# EAGLE board Mk4 Final Panel 6up 3x2 (EAGLE 9.0.1), part 6 of 18
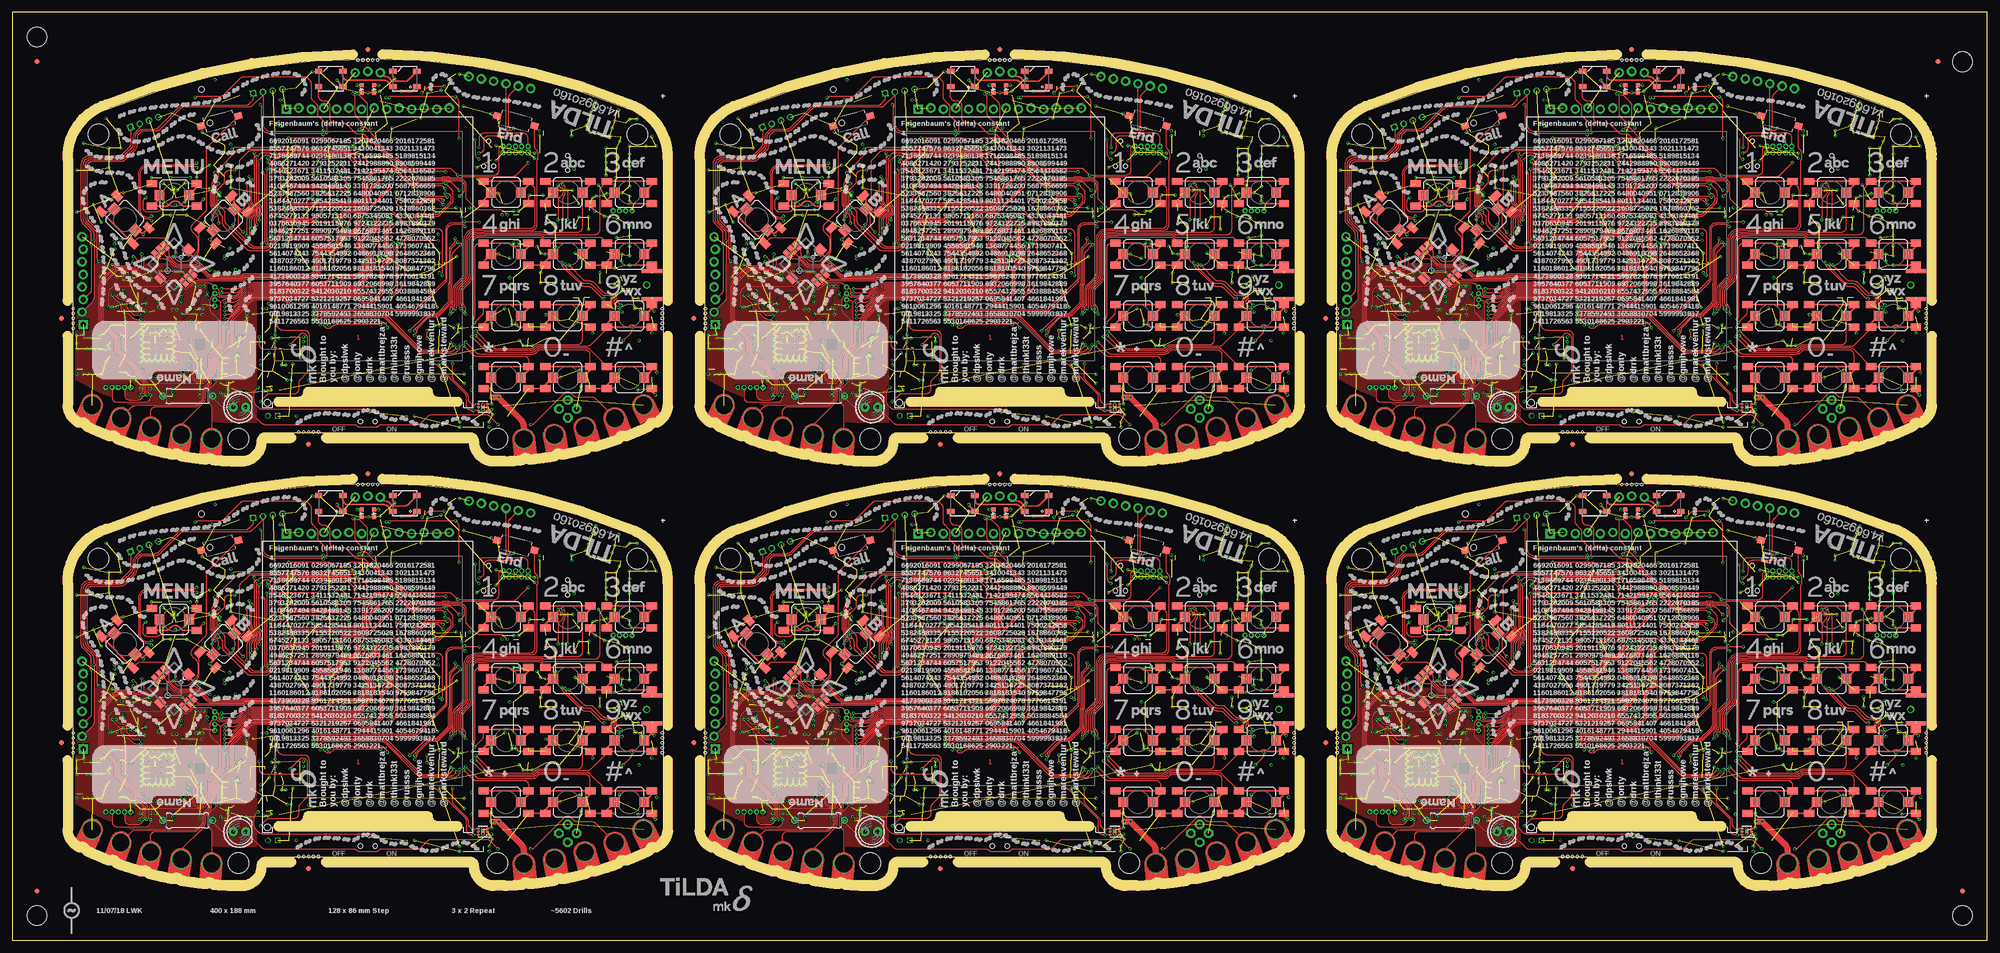
[diagram p0: board, top side]
## Tracks (layer width: path | path; a pad name or v marks a point on that pad's centre or on a via) (continued)
AMP_IN_P4 (continued)
  Bottom 0.2: R369.2 R387.2 289.45,73.5 | J47.3 294.76,81.04 arc45 294.05,80.75 J47.2 292.11,78.8 291.8,78.8 289.74,76.74 arc45 289.45,76.04 289.45,73.5 | R390.2 289.45,73.5
AMP_IN_P6
  Bottom 0.2: R525.2 R543.2 289.45,159.5 | J67.3 294.76,167.04 arc45 294.05,166.75 J67.2 292.11,164.8 291.8,164.8 289.74,162.74 arc45 289.45,162.04 289.45,159.5 | R546.2 289.45,159.5
AMP_IN_R1_N
  Bottom 0.15: C106.1 R78.1
AMP_IN_R1_N1
  Bottom 0.15: C214.1 R154.1
AMP_IN_R1_N2
  Bottom 0.15: C322.1 R232.1
AMP_IN_R1_N3
  Bottom 0.15: C430.1 R310.1
AMP_IN_R1_N4
  Bottom 0.15: C538.1 R388.1
AMP_IN_R1_N6
  Bottom 0.15: C754.1 R544.1
AMP_IN_R1_P
  Bottom 0.15: C105.1 R77.1
AMP_IN_R1_P1
  Bottom 0.15: C213.1 R153.1
AMP_IN_R1_P2
  Bottom 0.15: C321.1 R231.1
AMP_IN_R1_P3
  Bottom 0.15: C429.1 R309.1
AMP_IN_R1_P4
  Bottom 0.15: C537.1 R387.1
AMP_IN_R1_P6
  Bottom 0.15: C753.1 R543.1
AMP_IN_R_N
  Bottom 0.2: R58.1 C82.1
AMP_IN_R_N1
  Bottom 0.2: R136.1 C183.1
AMP_IN_R_N2
  Bottom 0.2: R214.1 C291.1
AMP_IN_R_N3
  Bottom 0.2: R292.1 C399.1
AMP_IN_R_N4
  Bottom 0.2: R370.1 C507.1
AMP_IN_R_N6
  Bottom 0.2: R526.1 C723.1
AMP_IN_R_P
  Bottom 0.2: R57.1 C83.1
AMP_IN_R_P1
  Bottom 0.2: R135.1 C184.1
AMP_IN_R_P2
  Bottom 0.2: R213.1 C292.1
AMP_IN_R_P3
  Bottom 0.2: R291.1 C400.1
AMP_IN_R_P4
  Bottom 0.2: R369.1 C508.1
AMP_IN_R_P6
  Bottom 0.2: R525.1 C724.1
AMP_IN_TRS_P
  Bottom 0.2: J9.5 44.71,79.83 arc45 45,80.54 45,81.35 arc90 44,82.35 42.51,82.35 arc45 41.81,82.06 41.54,81.79 arc-45 40.84,81.5 36.08,81.5 J9.6 35.32,81.41 arc45 34.62,81.12 34.29,80.79 arc45 34,80.09 34,78.01 arc-45 33.71,77.31 32.79,76.39 arc45 32.5,75.69 R75.1 32.5,69.66 arc45 32.79,68.96 32.83,68.92 arc-45 33.12,68.21 IC13.3
AMP_IN_TRS_P1
  Bottom 0.2: J17.5 172.71,79.83 arc45 173,80.54 173,81.35 arc90 172,82.35 170.51,82.35 arc45 169.81,82.06 169.54,81.79 arc-45 168.84,81.5 164.08,81.5 J17.6 163.32,81.41 arc45 162.62,81.12 162.29,80.79 arc45 162,80.09 162,78.01 arc-45 161.71,77.31 160.79,76.39 arc45 160.5,75.69 R156.1 160.5,69.66 arc45 160.79,68.96 160.83,68.92 arc-45 161.12,68.21 IC28.3
AMP_IN_TRS_P2
  Bottom 0.2: J27.5 44.71,165.83 arc45 45,166.54 45,167.35 arc90 44,168.35 42.51,168.35 arc45 41.81,168.06 41.54,167.79 arc-45 40.84,167.5 36.08,167.5 J27.6 35.32,167.41 arc45 34.62,167.12 34.29,166.79 arc45 34,166.09 34,164.01 arc-45 33.71,163.31 32.79,162.39 arc45 32.5,161.69 R234.1 32.5,155.66 arc45 32.79,154.96 32.83,154.92 arc-45 33.12,154.21 IC46.3
AMP_IN_TRS_P3
  Bottom 0.2: J37.5 172.71,165.83 arc45 173,166.54 173,167.35 arc90 172,168.35 170.51,168.35 arc45 169.81,168.06 169.54,167.79 arc-45 168.84,167.5 164.08,167.5 J37.6 163.32,167.41 arc45 162.62,167.12 162.29,166.79 arc45 162,166.09 162,164.01 arc-45 161.71,163.31 160.79,162.39 arc45 160.5,161.69 R312.1 160.5,155.66 arc45 160.79,154.96 160.83,154.92 arc-45 161.12,154.21 IC64.3
AMP_IN_TRS_P4
  Bottom 0.2: J47.5 300.71,79.83 arc45 301,80.54 301,81.35 arc90 300,82.35 298.51,82.35 arc45 297.81,82.06 297.54,81.79 arc-45 296.84,81.5 292.08,81.5 J47.6 291.32,81.41 arc45 290.62,81.12 290.29,80.79 arc45 290,80.09 290,78.01 arc-45 289.71,77.31 288.79,76.39 arc45 288.5,75.69 R390.1 288.5,69.66 arc45 288.79,68.96 288.83,68.92 arc-45 289.12,68.21 IC82.3
AMP_IN_TRS_P6
  Bottom 0.2: J67.5 300.71,165.83 arc45 301,166.54 301,167.35 arc90 300,168.35 298.51,168.35 arc45 297.81,168.06 297.54,167.79 arc-45 296.84,167.5 292.08,167.5 J67.6 291.32,167.41 arc45 290.62,167.12 290.29,166.79 arc45 290,166.09 290,164.01 arc-45 289.71,163.31 288.79,162.39 arc45 288.5,161.69 R546.1 288.5,155.66 arc45 288.79,154.96 288.83,154.92 arc-45 289.12,154.21 IC118.3
BQ_!CE
  Bottom 0.15: R17.1 IC8.9
BQ_!CE1
  Bottom 0.15: R99.1 IC24.9
BQ_!CE2
  Bottom 0.15: R177.1 IC42.9
BQ_!CE3
  Bottom 0.15: R255.1 IC60.9
BQ_!CE4
  Bottom 0.15: R333.1 IC78.9
BQ_!CE6
  Bottom 0.15: R489.1 IC114.9
BQ_!INT  (via drill 0.3)
  Top 0.15: v73,59.2 73,58.66 arc-45 72.85,58.31 70.58,56.04 arc90 70.58,53.92 72.08,52.42 arc-45 72.3,51.89 72.3,51.53 arc-45 72.15,51.18 71.95,50.97 arc45 71.8,50.62 71.8,50.33 arc-45 71.29,49.09 70.81,48.61 arc-45 69.58,48.1 67.41,48.1 arc45 66.71,47.81 66.05,47.15 arc-90 65.35,47.15 v64.9,47.6
  Bottom 0.15: v73,59.2 IC1.14 | IC8.7 63.9,37.25 arc90 64.9,38.25 v64.9,47.6
BQ_!INT1  (via drill 0.3)
  Top 0.15: v201,59.2 201,58.66 arc-45 200.85,58.31 198.58,56.04 arc90 198.58,53.92 200.08,52.42 arc-45 200.3,51.89 200.3,51.53 arc-45 200.15,51.18 199.95,50.97 arc45 199.8,50.62 199.8,50.33 arc-45 199.29,49.09 198.81,48.61 arc-45 197.57,48.1 195.41,48.1 arc45 194.71,47.81 194.05,47.15 arc-90 193.35,47.15 v192.9,47.6
  Bottom 0.15: v201,59.2 IC20.14 | IC24.7 191.9,37.25 arc90 192.9,38.25 v192.9,47.6
BQ_!INT2  (via drill 0.3)
  Top 0.15: v73,145.2 73,144.66 arc-45 72.85,144.31 70.58,142.04 arc90 70.58,139.92 72.08,138.42 arc-45 72.3,137.89 72.3,137.53 arc-45 72.15,137.18 71.95,136.97 arc45 71.8,136.62 71.8,136.32 arc-45 71.29,135.09 70.81,134.61 arc-45 69.58,134.1 67.41,134.1 arc45 66.71,133.81 66.05,133.15 arc-90 65.35,133.15 v64.9,133.6
  Bottom 0.15: v73,145.2 IC38.14 | IC42.7 63.9,123.25 arc90 64.9,124.25 v64.9,133.6
BQ_!INT3  (via drill 0.3)
  Top 0.15: v201,145.2 201,144.66 arc-45 200.85,144.31 198.58,142.04 arc90 198.58,139.92 200.08,138.42 arc-45 200.3,137.89 200.3,137.53 arc-45 200.15,137.18 199.95,136.97 arc45 199.8,136.62 199.8,136.32 arc-45 199.29,135.09 198.81,134.61 arc-45 197.57,134.1 195.41,134.1 arc45 194.71,133.81 194.05,133.15 arc-90 193.35,133.15 v192.9,133.6
  Bottom 0.15: v201,145.2 IC56.14 | IC60.7 191.9,123.25 arc90 192.9,124.25 v192.9,133.6
BQ_!INT4  (via drill 0.3)
  Top 0.15: v329,59.2 329,58.66 arc-45 328.85,58.31 326.58,56.04 arc90 326.58,53.92 328.08,52.42 arc-45 328.3,51.89 328.3,51.53 arc-45 328.15,51.18 327.95,50.97 arc45 327.8,50.62 327.8,50.33 arc-45 327.29,49.09 326.81,48.61 arc-45 325.57,48.1 323.41,48.1 arc45 322.71,47.81 322.05,47.15 arc-90 321.35,47.15 v320.9,47.6
  Bottom 0.15: v329,59.2 IC74.14 | IC78.7 319.9,37.25 arc90 320.9,38.25 v320.9,47.6
BQ_!INT6  (via drill 0.3)
  Top 0.15: v329,145.2 329,144.66 arc-45 328.85,144.31 326.58,142.04 arc90 326.58,139.92 328.08,138.42 arc-45 328.3,137.89 328.3,137.53 arc-45 328.15,137.18 327.95,136.97 arc45 327.8,136.62 327.8,136.32 arc-45 327.29,135.09 326.81,134.61 arc-45 325.57,134.1 323.41,134.1 arc45 322.71,133.81 322.05,133.15 arc-90 321.35,133.15 v320.9,133.6
  Bottom 0.15: v329,145.2 IC110.14 | IC114.7 319.9,123.25 arc90 320.9,124.25 v320.9,133.6
BQ_!QON  (via drill 0.3)
  Top 0.15: v56.25,34.7 58.41,36.86 arc-45 58.75,37 arc-90 59.75,36 59.75,29.41 arc-45 59.46,28.71 58.29,27.54 arc45 58,26.84 58,25.65 arc-90 57,24.65 52.16,24.65 arc45 51.46,24.36 v50.25,23.15
  Bottom 0.15: IC8.12 56.2,34.75 v56.25,34.7 | JP3.2 50.54,21.46 arc-45 50.25,22.16 v50.25,23.15
BQ_!QON1  (via drill 0.3)
  Top 0.15: v184.25,34.7 186.41,36.86 arc-45 186.75,37 arc-90 187.75,36 187.75,29.41 arc-45 187.46,28.71 186.29,27.54 arc45 186,26.84 186,25.65 arc-90 185,24.65 180.16,24.65 arc45 179.46,24.36 v178.25,23.15
  Bottom 0.15: IC24.12 184.2,34.75 v184.25,34.7 | JP13.2 178.54,21.46 arc-45 178.25,22.16 v178.25,23.15
BQ_!QON2  (via drill 0.3)
  Top 0.15: v56.25,120.7 58.41,122.86 arc-45 58.75,123 arc-90 59.75,122 59.75,115.41 arc-45 59.46,114.71 58.29,113.54 arc45 58,112.84 58,111.65 arc-90 57,110.65 52.16,110.65 arc45 51.46,110.36 v50.25,109.15
  Bottom 0.15: IC42.12 56.2,120.75 v56.25,120.7 | JP22.2 50.54,107.46 arc-45 50.25,108.16 v50.25,109.15
BQ_!QON3  (via drill 0.3)
  Top 0.15: v184.25,120.7 186.41,122.86 arc-45 186.75,123 arc-90 187.75,122 187.75,115.41 arc-45 187.46,114.71 186.29,113.54 arc45 186,112.84 186,111.65 arc-90 185,110.65 180.16,110.65 arc45 179.46,110.36 v178.25,109.15
  Bottom 0.15: IC60.12 184.2,120.75 v184.25,120.7 | JP31.2 178.54,107.46 arc-45 178.25,108.16 v178.25,109.15
BQ_!QON4  (via drill 0.3)
  Top 0.15: v312.25,34.7 314.41,36.86 arc-45 314.75,37 arc-90 315.75,36 315.75,29.41 arc-45 315.46,28.71 314.29,27.54 arc45 314,26.84 314,25.65 arc-90 313,24.65 308.16,24.65 arc45 307.46,24.36 v306.25,23.15
  Bottom 0.15: IC78.12 312.2,34.75 v312.25,34.7 | JP40.2 306.54,21.46 arc-45 306.25,22.16 v306.25,23.15
BQ_!QON6  (via drill 0.3)
  Top 0.15: v312.25,120.7 314.41,122.86 arc-45 314.75,123 arc-90 315.75,122 315.75,115.41 arc-45 315.46,114.71 314.29,113.54 arc45 314,112.84 314,111.65 arc-90 313,110.65 308.16,110.65 arc45 307.46,110.36 v306.25,109.15
  Bottom 0.15: IC114.12 312.2,120.75 v312.25,120.7 | JP58.2 306.54,107.46 arc-45 306.25,108.16 v306.25,109.15
BQ_PMID
  Bottom 0.3: IC8.23 50.42,36.75
  Bottom 0.4: C36.1 49.3,37.04 49.92,37.04 arc-45 50.27,36.9 50.42,36.75
BQ_PMID1
  Bottom 0.3: IC24.23 178.42,36.75
  Bottom 0.4: C148.1 177.31,37.04 177.92,37.04 arc-45 178.27,36.9 178.42,36.75
BQ_PMID2
  Bottom 0.3: IC42.23 50.42,122.75
  Bottom 0.4: C256.1 49.3,123.04 49.92,123.04 arc-45 50.27,122.9 50.42,122.75
BQ_PMID3
  Bottom 0.3: IC60.23 178.42,122.75
  Bottom 0.4: C364.1 177.31,123.04 177.92,123.04 arc-45 178.27,122.9 178.42,122.75
BQ_PMID4
  Bottom 0.3: IC78.23 306.42,36.75
  Bottom 0.4: C472.1 305.31,37.04 305.92,37.04 arc-45 306.27,36.9 306.42,36.75
BQ_PMID6
  Bottom 0.3: IC114.23 306.42,122.75
  Bottom 0.4: C688.1 305.31,123.04 305.92,123.04 arc-45 306.27,122.9 306.42,122.75
BQ_PSEL
  Bottom 0.15: IC8.2 52.5,41.25 R19.1 R18.1
BQ_PSEL1
  Bottom 0.15: IC24.2 180.5,41.25 R101.1 R100.1
BQ_PSEL2
  Bottom 0.15: IC42.2 52.5,127.25 R179.1 R178.1
BQ_PSEL3
  Bottom 0.15: IC60.2 180.5,127.25 R257.1 R256.1
BQ_PSEL4
  Bottom 0.15: IC78.2 308.5,41.25 R335.1 R334.1
BQ_PSEL6
  Bottom 0.15: IC114.2 308.5,127.25 R491.1 R490.1
BQ_REGN  (via drill 0.3)
  Top 0.2: v50,36.25 50,34.75 arc90 51,33.75 58.09,33.75 arc45 58.79,34.04 v59,34.25
  Bottom 0.25: IC8.22 v50,36.25
  Bottom 0.3: R16.2 v59,34.25
  Bottom 0.4: C39.2 v50,36.25
BQ_REGN1  (via drill 0.3)
  Top 0.2: v178,36.25 178,34.75 arc90 179,33.75 186.09,33.75 arc45 186.79,34.04 v187,34.25
  Bottom 0.25: IC24.22 v178,36.25
  Bottom 0.3: R98.2 v187,34.25
  Bottom 0.4: C149.2 v178,36.25
BQ_REGN2  (via drill 0.3)
  Top 0.2: v50,122.25 50,120.75 arc90 51,119.75 58.09,119.75 arc45 58.79,120.04 v59,120.25
  Bottom 0.25: IC42.22 v50,122.25
  Bottom 0.3: R176.2 v59,120.25
  Bottom 0.4: C257.2 v50,122.25
BQ_REGN3  (via drill 0.3)
  Top 0.2: v178,122.25 178,120.75 arc90 179,119.75 186.09,119.75 arc45 186.79,120.04 v187,120.25
  Bottom 0.25: IC60.22 v178,122.25
  Bottom 0.3: R254.2 v187,120.25
  Bottom 0.4: C365.2 v178,122.25
BQ_REGN4  (via drill 0.3)
  Top 0.2: v306,36.25 306,34.75 arc90 307,33.75 314.09,33.75 arc45 314.79,34.04 v315,34.25
  Bottom 0.25: IC78.22 v306,36.25
  Bottom 0.3: R332.2 v315,34.25
  Bottom 0.4: C473.2 v306,36.25
BQ_REGN6  (via drill 0.3)
  Top 0.2: v306,122.25 306,120.75 arc90 307,119.75 314.09,119.75 arc45 314.79,120.04 v315,120.25
  Bottom 0.25: IC114.22 v306,122.25
  Bottom 0.3: R488.2 v315,120.25
  Bottom 0.4: C689.2 v306,122.25
BQ_STAT
  Bottom 0.15: IC8.4 53.5,39.25 R20.1
BQ_STAT1
  Bottom 0.15: IC24.4 181.5,39.25 R102.1
BQ_STAT2
  Bottom 0.15: IC42.4 53.5,125.25 R180.1
BQ_STAT3
  Bottom 0.15: IC60.4 181.5,125.25 R258.1
BQ_STAT4
  Bottom 0.15: IC78.4 309.5,39.25 R336.1
BQ_STAT6
  Bottom 0.15: IC114.4 309.5,125.25 R492.1
BQ_STAT_R
  Bottom 0.15: LED6.C 54,40.75 R20.2
BQ_STAT_R1
  Bottom 0.15: LED12.C 182,40.75 R102.2
BQ_STAT_R2
  Bottom 0.15: LED18.C 54,126.75 R180.2
BQ_STAT_R3
  Bottom 0.15: LED24.C 182,126.75 R258.2
BQ_STAT_R4
  Bottom 0.15: LED30.C 310,40.75 R336.2
BQ_STAT_R6
  Bottom 0.15: LED42.C 310,126.75 R492.2
BQ_SW  (3 unrouted)
  pour Bottom (no thermals): 51.5,35.3 50.3,35.3 49.85,34.85 arc-45 49.49,34.7 49.01,34.7 arc-45 48.65,34.85 48.5,35 48.5,35.45 48.05,35.45 47.3,34.7 arc45 47.15,34.34 47.15,32.5 49.5,32.5 arc90 50,33 50,33.79 arc-45 50.15,34.15 50.7,34.7 51.5,34.7
BQ_SW1  (3 unrouted)
  pour Bottom (no thermals): 179.5,35.3 178.3,35.3 177.85,34.85 arc-45 177.49,34.7 177.01,34.7 arc-45 176.65,34.85 176.5,35 176.5,35.45 176.05,35.45 175.3,34.7 arc45 175.15,34.34 175.15,32.5 177.5,32.5 arc90 178,33 178,33.79 arc-45 178.15,34.15 178.7,34.7 179.5,34.7
BQ_SW2  (3 unrouted)
  pour Bottom (no thermals): 51.5,121.3 50.3,121.3 49.85,120.85 arc-45 49.49,120.7 49.01,120.7 arc-45 48.65,120.85 48.5,121 48.5,121.45 48.05,121.45 47.3,120.7 arc45 47.15,120.34 47.15,118.5 49.5,118.5 arc90 50,119 50,119.79 arc-45 50.15,120.15 50.7,120.7 51.5,120.7
BQ_SW3  (3 unrouted)
  pour Bottom (no thermals): 179.5,121.3 178.3,121.3 177.85,120.85 arc-45 177.49,120.7 177.01,120.7 arc-45 176.65,120.85 176.5,121 176.5,121.45 176.05,121.45 175.3,120.7 arc45 175.15,120.34 175.15,118.5 177.5,118.5 arc90 178,119 178,119.79 arc-45 178.15,120.15 178.7,120.7 179.5,120.7
BQ_SW4  (3 unrouted)
  pour Bottom (no thermals): 307.5,35.3 306.3,35.3 305.85,34.85 arc-45 305.49,34.7 305.01,34.7 arc-45 304.65,34.85 304.5,35 304.5,35.45 304.05,35.45 303.3,34.7 arc45 303.15,34.34 303.15,32.5 305.5,32.5 arc90 306,33 306,33.79 arc-45 306.15,34.15 306.7,34.7 307.5,34.7
BQ_SW6  (3 unrouted)
  pour Bottom (no thermals): 307.5,121.3 306.3,121.3 305.85,120.85 arc-45 305.49,120.7 305.01,120.7 arc-45 304.65,120.85 304.5,121 304.5,121.45 304.05,121.45 303.3,120.7 arc45 303.15,120.34 303.15,118.5 305.5,118.5 arc90 306,119 306,119.79 arc-45 306.15,120.15 306.7,120.7 307.5,120.7
BQ_TS
  Bottom 0.15: R16.1 R15.2 IC8.11
BQ_TS1
  Bottom 0.15: R98.1 R97.2 IC24.11
BQ_TS2
  Bottom 0.15: R176.1 R175.2 IC42.11
BQ_TS3
  Bottom 0.15: R254.1 R253.2 IC60.11
BQ_TS4
  Bottom 0.15: R332.1 R331.2 IC78.11
BQ_TS6
  Bottom 0.15: R488.1 R487.2 IC114.11
BT_ANT
  Bottom 0.4: IC5.20 115.8,63 arc-90 118.8,66 119.25,66 arc90 121.25,68 121.25,75.5 arc-21 122,76.5 arc-6 C74.2 arc-6 L5.1
BT_ANT1
  Bottom 0.4: IC21.20 243.8,63 arc-90 246.8,66 247.25,66 arc90 249.25,68 249.25,75.5 arc-21 250,76.5 arc-6 C175.2 arc-6 L14.1
BT_ANT2
  Bottom 0.4: IC39.20 115.8,149 arc-90 118.8,152 119.25,152 arc90 121.25,154 121.25,161.5 arc-21 122,162.5 arc-6 C283.2 arc-6 L23.1
BT_ANT3
  Bottom 0.4: IC57.20 243.8,149 arc-90 246.8,152 247.25,152 arc90 249.25,154 249.25,161.5 arc-21 250,162.5 arc-6 C391.2 arc-6 L32.1
BT_ANT4
  Bottom 0.4: IC75.20 371.8,63 arc-90 374.8,66 375.25,66 arc90 377.25,68 377.25,75.5 arc-21 378,76.5 arc-6 C499.2 arc-6 L41.1
BT_ANT6
  Bottom 0.4: IC111.20 371.8,149 arc-90 374.8,152 375.25,152 arc90 377.25,154 377.25,161.5 arc-21 378,162.5 arc-6 C715.2 arc-6 L59.1
BT_ANT_L
  Bottom 0.4: L5.2 arc-10 C75.2 123.28,80.22 arc85 123,80.75 arc15 ANT2.1
BT_ANT_L1
  Bottom 0.4: L14.2 arc-10 C176.2 251.28,80.22 arc85 251,80.75 arc15 ANT4.1
BT_ANT_L2
  Bottom 0.4: L23.2 arc-10 C284.2 123.28,166.22 arc85 123,166.75 arc15 ANT6.1
BT_ANT_L3
  Bottom 0.4: L32.2 arc-10 C392.2 251.28,166.22 arc85 251,166.75 arc15 ANT8.1
BT_ANT_L4
  Bottom 0.4: L41.2 arc-10 C500.2 379.28,80.22 arc85 379,80.75 arc15 ANT10.1
BT_ANT_L6
  Bottom 0.4: L59.2 arc-10 C716.2 379.28,166.22 arc85 379,166.75 arc15 ANT14.1
BTN_1  (via drill 0.3)
  Top 0.2: S1.B2 105.61,66.69 arc-45 105.9,65.99 105.9,59.25 arc-90 104.9,58.25 95.31,58.25 95.23,58.17 93.8,58.17 arc90 91.55,55.92 91.55,49.09 arc-45 91.26,48.38 89.62,46.74 arc45 89.33,46.04 89.33,43.31 arc-45 89.03,42.61 88.94,42.52 arc45 88.65,41.81 v88.65,40.85
  Top 0.3: S1.2 104.55,67.05 S1.B2 S1.B1
  Bottom 0.15: IC4.1 89,40.42 arc45 88.94,40.56 v88.65,40.85
BTN_2  (via drill 0.3)
  Top 0.2: S2.2 115.5,58.5 arc-90 114.5,57.5 107.48,57.5 107.44,57.55 95.6,57.55 95.53,57.48 94,57.48 arc90 92.25,55.73 92.25,49.01 arc-45 91.81,47.95 90.39,46.53 arc45 90.1,45.82 90.1,42.81 arc-45 89.81,42.11 v89.7,42
  Top 0.3: S2.2 117.05,67.05 S2.B2 S2.B1
  Bottom 0.15: IC4.3 90,41.29 arc45 v89.71,41.99 v89.7,42
BTN_3  (via drill 0.3)
  Top 0.2: S3.B1 119.29,66.59 arc45 119,65.89 119,58 arc-90 118,57 107.57,57 arc-45 107.43,57.06 107.35,57.14 arc45 107.21,57.2 95.75,57.2 95.67,57.12 94.1,57.12 arc90 92.6,55.62 92.6,48.97 arc-45 92.09,47.73 90.79,46.43 arc45 90.5,45.73 90.5,42.71 arc45 v90.79,42.01 v90.8,42
  Top 0.3: S3.2 129.55,67.05 S3.B2 S3.B1
  Bottom 0.15: IC4.4 90.5,41.29 arc-45 v90.79,41.99 v90.8,42
BTN_4  (via drill 0.3)
  Top 0.2: S4.B1 94.7,55.25 arc90 93.7,54.25 93.7,43.2 93.7,43 93.7,40.71 arc-45 93.41,40.01 v93.3,39.9
  Top 0.3: S4.2 104.55,54.55 S4.B2 103.76,55.25 arc45 103.06,54.96 102.89,54.8 arc-45 102.54,54.65 101.46,54.65 arc-45 101.11,54.8 100.94,54.96 arc45 100.24,55.25 S4.B1
  Bottom 0.15: IC4.7 92.65,39.25 v93.3,39.9
BTN_5  (via drill 0.3)
  Top 0.2: S5.B1 107.95,55.55 107.29,56.21 arc45 106.59,56.5 96.03,56.5 95.96,56.42 94.35,56.42 arc90 93.35,55.42 93.35,48.93 arc-45 92.69,47.34 91.59,46.24 arc45 91.3,45.54 91.3,43.19 arc45 91.59,42.48 arc-45 91.85,41.86 v91.85,40.85
  Top 0.3: S5.2 117.05,54.55 S5.B2 S5.B1
  Bottom 0.15: IC4.6 91.5,40.29 arc-45 91.65,40.65 v91.85,40.85
BTN_6  (via drill 0.3)
  Top 0.2: S6.B1 119.49,56.21 arc45 118.79,56.5 107.58,56.5 arc-45 107.44,56.56 arc45 106.73,56.85 95.89,56.85 95.81,56.77 94.25,56.77 arc90 93,55.52 93,48.97 arc-45 92.41,47.56 91.19,46.34 arc45 90.9,45.63 90.9,43.09 arc45 91.19,42.39 arc-45 91.35,42.01 91.35,41.77 91.3,41.72 v91.3,41.4
  Top 0.3: S6.2 129.55,54.55 S6.B2 S6.B1
  Bottom 0.15: IC4.5 91,40.69 arc-45 v91.29,41.39 v91.3,41.4
BTN_7  (via drill 0.3)
  Top 0.2: v93.63,39.17 95.16,40.7 arc45 95.45,41.4 S7.B1
  Top 0.3: S7.2 104.55,42.05 S7.B2 S7.B1
  Bottom 0.15: IC4.8 92.97,38.75 93.02,38.8 arc45 93.43,38.97 v93.63,39.17
BTN_8  (via drill 0.3)
  Top 0.2: S8.2 115.5,35.7 arc-90 114.5,34.7 106.71,34.7 arc45 106.01,34.41 105.79,34.19 arc-45 105.09,33.9 99.7,33.9 97.81,33.9 arc-45 97.11,34.19 v93.9,37.4
  Top 0.3: S8.2 117.05,42.05 S8.B2 S8.B1
  Bottom 0.15: IC4.10 93.01,37.75 93.03,37.73 93.16,37.73 arc-45 93.87,37.43 v93.9,37.4
BTN_9  (via drill 0.3)
  Top 0.2: v93.8,36.5 96.46,33.84 arc45 97.16,33.55 105.23,33.55 arc45 105.94,33.84 106.1,34.01 arc-45 106.81,34.3 116.39,34.3 arc45 117.09,34.59 120.45,37.95 S9.B2
  Top 0.3: S9.2 120.45,38.95 S9.B2 124.9,38.25 125.25,38.6 125.75,38.6 126.1,38.25 S9.B1
  Bottom 0.15: IC4.11 92.64,37.25 arc-45 93.34,36.96 v93.8,36.5
BTN_10  (via drill 0.3)
  Top 0.2: S10.B2 104.55,31.4 arc90 103.55,32.4 93.91,32.4 arc-45 93.21,32.69 v91.4,34.5
  Top 0.3: S10.2 104.55,29.55 S10.B2 S10.B1
  Bottom 0.15: IC4.14 91,35.31 arc45 91.15,34.95 91.26,34.84 arc-45 v91.4,34.5
BTN_11  (via drill 0.3)
  Top 0.2: S11.B2 117.05,32.6 arc90 116.05,33.6 107.11,33.6 arc45 106.41,33.31 106.19,33.09 arc-45 105.49,32.8 94.61,32.8 arc-45 93.91,33.09 v91.85,35.15
  Top 0.3: S11.2 117.05,29.55 S11.B2 S11.B1 | S11.B1 107.75,30.25 107.5,30 107.7,30 S11.B1
  Bottom 0.15: IC4.13 91.5,35.5 v91.85,35.15
BTN_12  (via drill 0.3)
  Top 0.2: S12.B1 117.04,33.66 arc45 116.34,33.95 106.95,33.95 arc45 106.25,33.66 106.08,33.49 arc-45 105.38,33.2 96.61,33.2 arc-45 95.91,33.49 v93.05,36.35
  Top 0.3: S12.2 129.26,29.26 arc45 129.55,29.96 S12.B2 S12.B1
  Bottom 0.15: IC4.12 92.65,36.75 v93.05,36.35
BTN_13  (via drill 0.3)
  Top 0.2: S21.B2 233.61,66.69 arc-45 233.9,65.99 233.9,59.25 arc-90 232.9,58.25 223.31,58.25 223.24,58.17 221.8,58.17 arc90 219.55,55.92 219.55,49.09 arc-45 219.26,48.38 217.62,46.74 arc45 217.32,46.04 217.32,43.31 arc-45 217.03,42.61 216.94,42.52 arc45 216.65,41.81 v216.65,40.85
  Top 0.3: S21.2 232.55,67.05 S21.B2 S21.B1
  Bottom 0.15: IC31.1 217,40.42 arc45 216.94,40.56 v216.65,40.85
BTN_14  (via drill 0.3)
  Top 0.2: S26.2 243.5,58.5 arc-90 242.5,57.5 235.49,57.5 235.44,57.55 223.6,57.55 223.53,57.48 222,57.48 arc90 220.25,55.73 220.25,49.01 arc-45 219.81,47.95 218.39,46.53 arc45 218.1,45.82 218.1,42.81 arc-45 217.81,42.11 v217.7,42
  Top 0.3: S26.2 245.05,67.05 S26.B2 S26.B1
  Bottom 0.15: IC31.3 218,41.29 arc45 v217.71,41.99 v217.7,42
BTN_15  (via drill 0.3)
  Top 0.2: S30.B1 247.29,66.59 arc45 247,65.89 247,58 arc-90 246,57 235.57,57 arc-45 235.43,57.06 235.35,57.14 arc45 235.21,57.2 223.75,57.2 223.67,57.12 222.1,57.12 arc90 220.6,55.62 220.6,48.97 arc-45 220.09,47.73 218.79,46.43 arc45 218.5,45.73 218.5,42.71 arc45 v218.79,42.01 v218.8,42
  Top 0.3: S30.2 257.55,67.05 S30.B2 S30.B1
  Bottom 0.15: IC31.4 218.5,41.29 arc-45 v218.79,41.99 v218.8,42
BTN_16  (via drill 0.3)
  Top 0.2: S25.B2 232.55,31.4 arc90 231.55,32.4 221.91,32.4 arc-45 221.21,32.69 v219.4,34.5
  Top 0.3: S25.2 232.55,29.55 S25.B2 S25.B1
  Bottom 0.15: IC31.14 219,35.31 arc45 219.15,34.95 219.26,34.84 arc-45 v219.4,34.5
BTN_17  (via drill 0.3)
  Top 0.2: S27.B1 235.95,55.55 235.29,56.21 arc45 234.59,56.5 224.03,56.5 223.96,56.42 222.35,56.42 arc90 221.35,55.42 221.35,48.93 arc-45 220.69,47.34 219.59,46.24 arc45 219.3,45.54 219.3,43.19 arc45 219.59,42.48 arc-45 219.85,41.86 v219.85,40.85
  Top 0.3: S27.2 245.05,54.55 S27.B2 S27.B1
  Bottom 0.15: IC31.6 219.5,40.29 arc-45 219.65,40.65 v219.85,40.85
BTN_18  (via drill 0.3)
  Top 0.2: S28.2 243.5,35.7 arc-90 242.5,34.7 234.71,34.7 arc45 234.01,34.41 233.79,34.19 arc-45 233.09,33.9 225.81,33.9 arc-45 225.11,34.19 v221.9,37.4
  Top 0.3: S28.2 245.05,42.05 S28.B2 S28.B1
  Bottom 0.15: IC31.10 221.01,37.75 221.03,37.73 221.16,37.73 arc-45 221.87,37.43 v221.9,37.4
BTN_19  (via drill 0.3)
  Top 0.2: S29.B2 245.05,32.6 arc90 244.05,33.6 235.11,33.6 arc45 234.41,33.31 234.19,33.09 arc-45 233.49,32.8 222.61,32.8 arc-45 221.91,33.09 v219.85,35.15
  Top 0.3: S29.2 245.05,29.55 S29.B2 S29.B1 | S29.B1 235.75,30.25 235.5,30 235.7,30 S29.B1
  Bottom 0.15: IC31.13 219.5,35.5 v219.85,35.15
BTN_20  (via drill 0.3)
  Top 0.2: S31.B1 247.49,56.21 arc45 246.79,56.5 235.58,56.5 arc-45 235.44,56.56 arc45 234.73,56.85 223.89,56.85 223.81,56.77 222.25,56.77 arc90 221,55.52 221,48.97 arc-45 220.41,47.56 219.19,46.34 arc45 218.9,45.63 218.9,43.09 arc45 219.19,42.39 arc-45 219.35,42.01 219.35,41.77 219.3,41.72 v219.3,41.4
  Top 0.3: S31.2 257.55,54.55 S31.B2 S31.B1
  Bottom 0.15: IC31.5 219,40.69 arc-45 v219.29,41.39 v219.3,41.4
BTN_21  (via drill 0.3)
  Top 0.2: v221.8,36.5 224.46,33.84 arc45 225.16,33.55 233.23,33.55 arc45 233.94,33.84 234.1,34.01 arc-45 234.81,34.3 244.39,34.3 arc45 245.09,34.59 248.45,37.95 S32.B2
  Top 0.3: S32.2 248.45,38.95 S32.B2 252.9,38.25 253.25,38.6 253.75,38.6 254.1,38.25 S32.B1
  Bottom 0.15: IC31.11 220.64,37.25 arc-45 221.34,36.96 v221.8,36.5
BTN_22  (via drill 0.3)
  Top 0.2: S33.B1 245.04,33.66 arc45 244.34,33.95 234.95,33.95 arc45 234.25,33.66 234.08,33.49 arc-45 233.38,33.2 224.61,33.2 arc-45 223.91,33.49 v221.05,36.35
  Top 0.3: S33.2 257.26,29.26 arc45 257.55,29.96 S33.B2 S33.B1
  Bottom 0.15: IC31.12 220.65,36.75 v221.05,36.35
BTN_23  (via drill 0.3)
  Top 0.2: S23.B1 222.7,55.25 arc90 221.7,54.25 221.7,40.71 arc-45 221.41,40.01 v221.3,39.9
  Top 0.3: S23.2 232.55,54.55 S23.B2 231.76,55.25 arc45 231.06,54.96 230.9,54.8 arc-45 230.54,54.65 229.46,54.65 arc-45 229.1,54.8 228.94,54.96 arc45 228.24,55.25 S23.B1
  Bottom 0.15: IC31.7 220.65,39.25 v221.3,39.9
BTN_24  (via drill 0.3)
  Top 0.2: v221.63,39.17 223.16,40.7 arc45 223.45,41.4 S24.B1
  Top 0.3: S24.2 232.55,42.05 S24.B2 S24.B1
  Bottom 0.15: IC31.8 220.97,38.75 221.02,38.8 arc45 221.43,38.97 v221.63,39.17
BTN_25  (via drill 0.3)
  Top 0.2: S43.B2 105.61,152.69 arc-45 105.9,151.99 105.9,145.25 arc-90 104.9,144.25 95.31,144.25 95.23,144.18 93.8,144.18 arc90 91.55,141.93 91.55,135.09 arc-45 91.26,134.38 89.62,132.74 arc45 89.33,132.04 89.33,129.31 arc-45 89.03,128.61 88.94,128.52 arc45 88.65,127.81 v88.65,126.85
  Top 0.3: S43.2 104.55,153.05 S43.B2 S43.B1
  Bottom 0.15: IC49.1 89,126.42 arc45 88.94,126.56 v88.65,126.85
BTN_26  (via drill 0.3)
  Top 0.2: S47.2 115.5,144.5 arc-90 114.5,143.5 107.48,143.5 107.44,143.55 95.6,143.55 95.53,143.47 94,143.47 arc90 92.25,141.72 92.25,135.01 arc-45 91.81,133.95 90.39,132.53 arc45 90.1,131.82 90.1,128.81 arc-45 89.81,128.11 v89.7,128
  Top 0.3: S47.2 117.05,153.05 S47.B2 S47.B1
  Bottom 0.15: IC49.3 90,127.29 arc45 v89.71,127.99 v89.7,128
BTN_27  (via drill 0.3)
  Top 0.2: S51.B1 119.29,152.59 arc45 119,151.89 119,144 arc-90 118,143 107.57,143 arc-45 107.43,143.06 107.35,143.14 arc45 107.21,143.2 95.75,143.2 95.67,143.12 94.1,143.12 arc90 92.6,141.62 92.6,134.97 arc-45 92.09,133.73 90.79,132.43 arc45 90.5,131.73 90.5,128.71 arc45 v90.79,128.01 v90.8,128
  Top 0.3: S51.2 129.55,153.05 S51.B2 S51.B1
  Bottom 0.15: IC49.4 90.5,127.29 arc-45 v90.79,127.99 v90.8,128
BTN_28  (via drill 0.3)
  Top 0.2: S46.B2 104.55,117.4 arc90 103.55,118.4 93.91,118.4 arc-45 93.21,118.69 v91.4,120.5
  Top 0.3: S46.2 104.55,115.55 S46.B2 S46.B1
  Bottom 0.15: IC49.14 91,121.31 arc45 91.15,120.95 91.26,120.84 arc-45 v91.4,120.5
BTN_29  (via drill 0.3)
  Top 0.2: S48.B1 107.95,141.55 107.29,142.21 arc45 106.59,142.5 96.03,142.5 95.96,142.43 94.35,142.43 arc90 93.35,141.43 93.35,134.93 arc-45 92.69,133.34 91.59,132.24 arc45 91.3,131.54 91.3,129.19 arc45 91.59,128.48 arc-45 91.85,127.86 v91.85,126.85
  Top 0.3: S48.2 117.05,140.55 S48.B2 S48.B1
  Bottom 0.15: IC49.6 91.5,126.29 arc-45 91.65,126.65 v91.85,126.85